# KiCad board Panel2.kicad_pcb (continued)
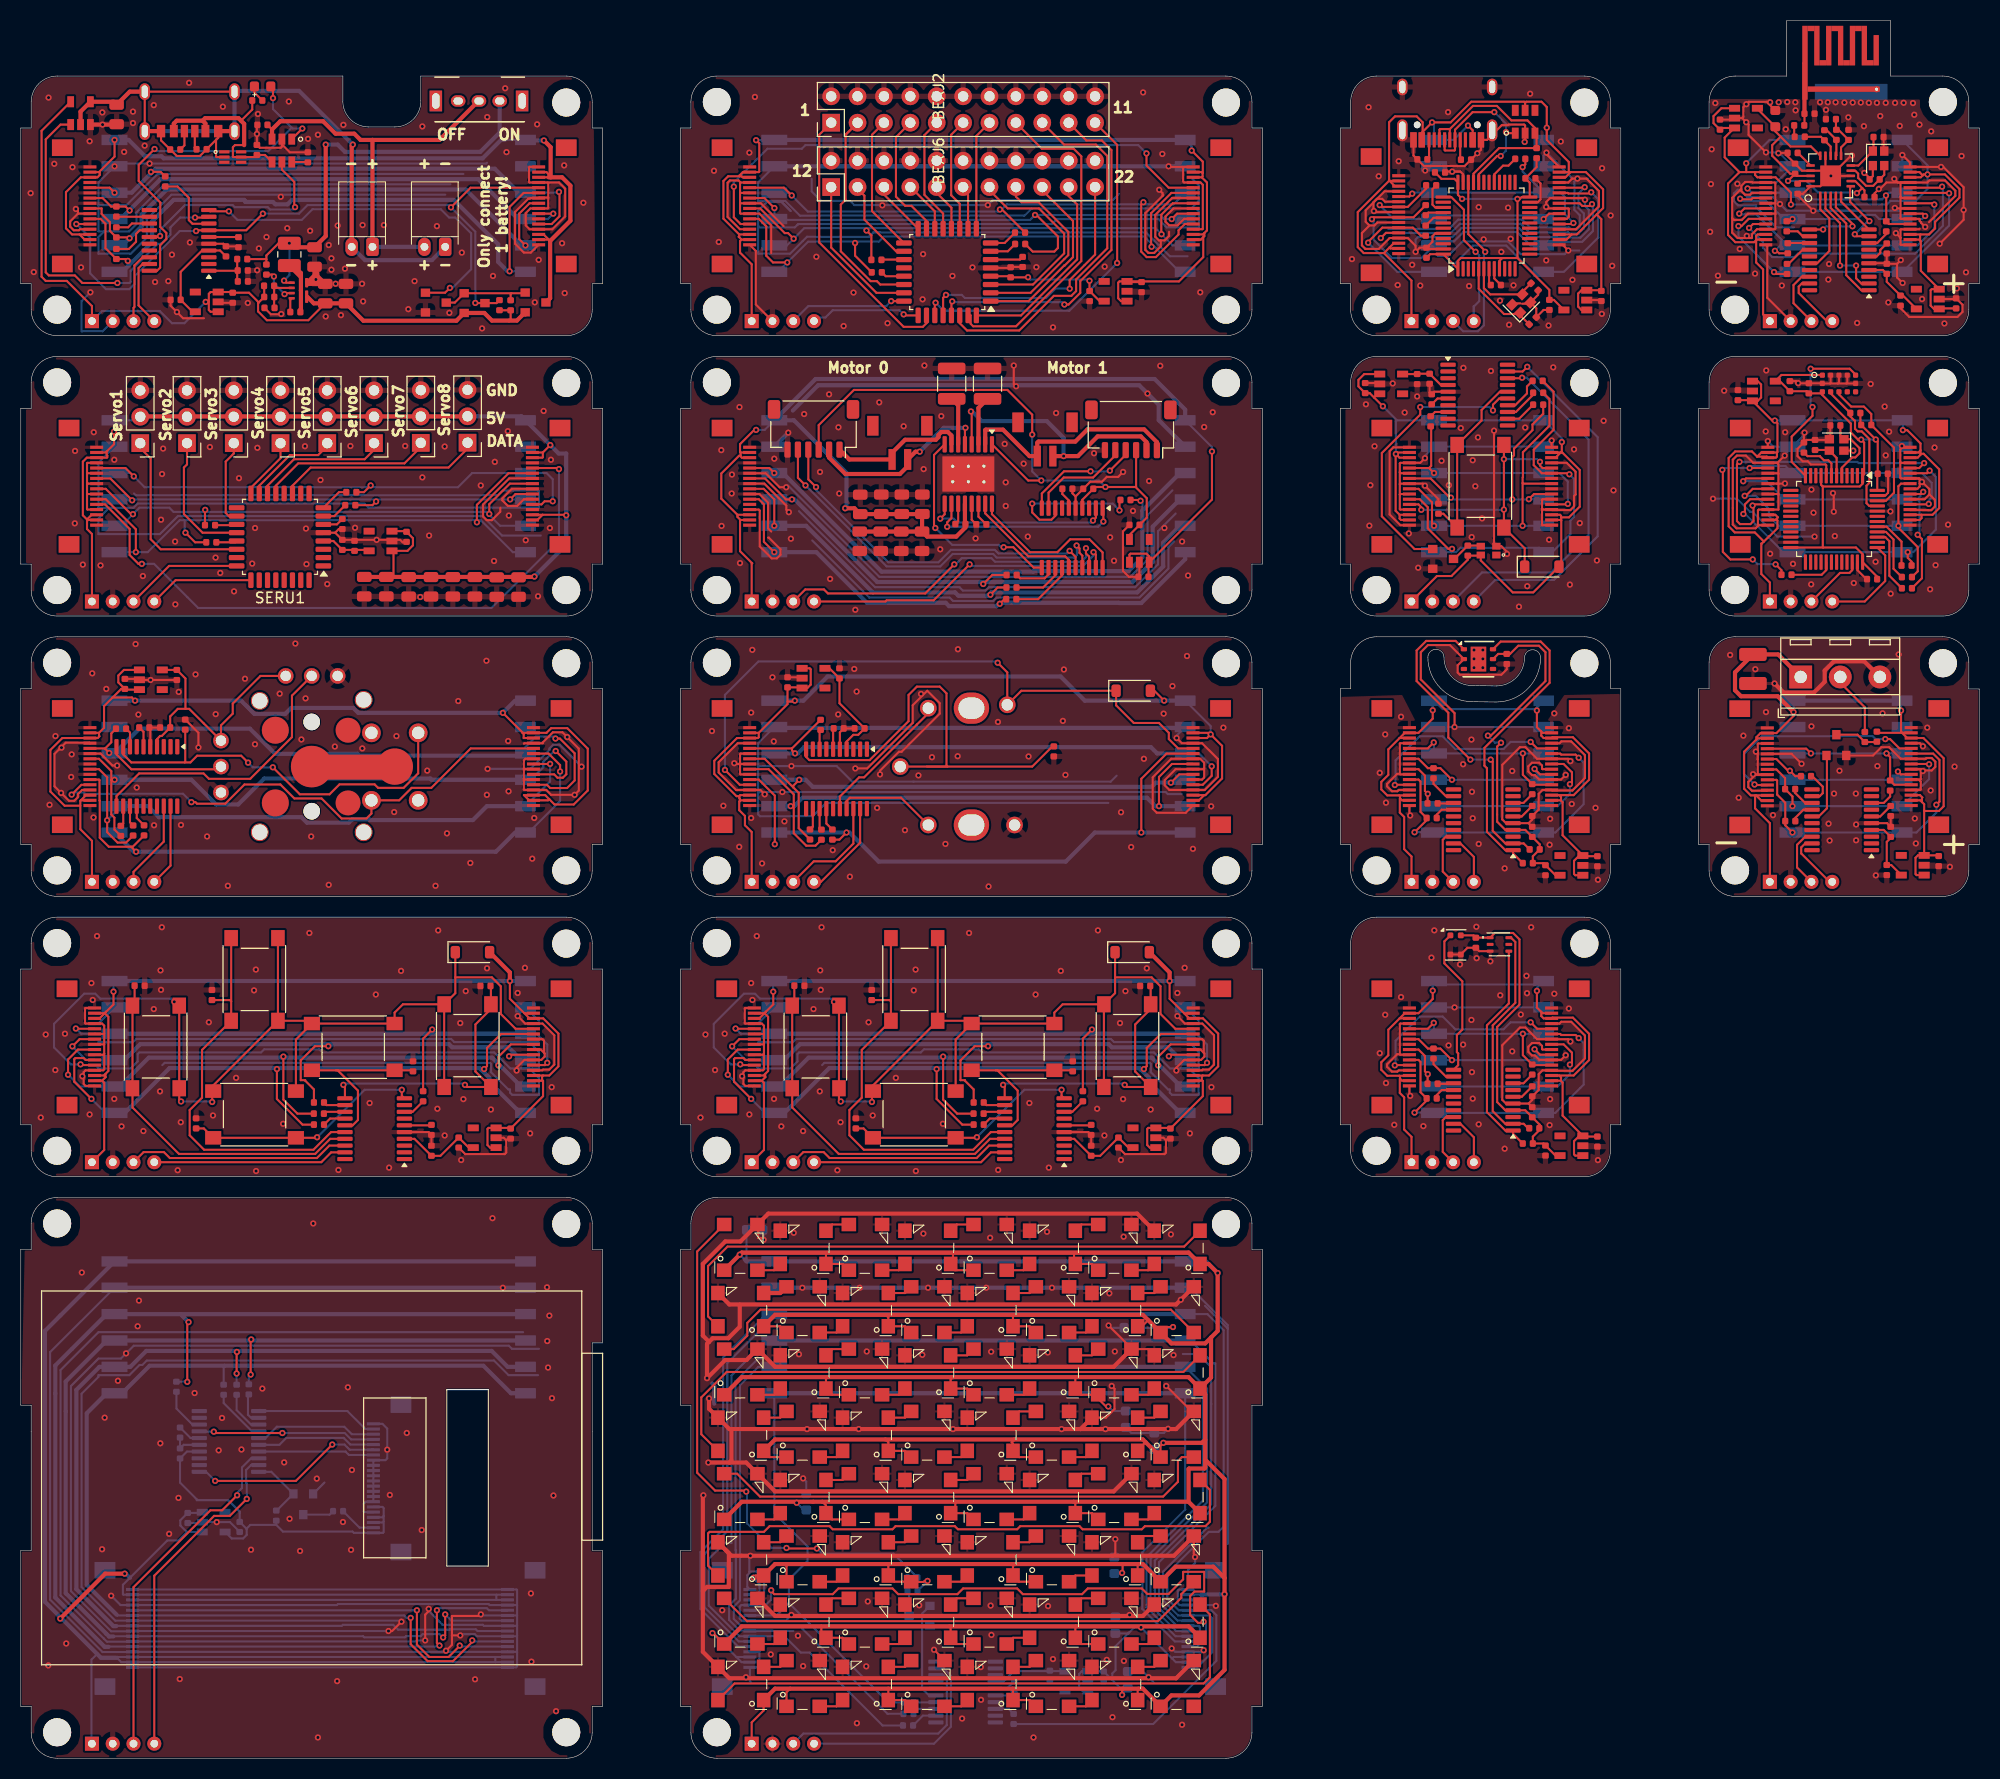
[diagram p0: board, top side]
## Routing (per net, layer and track width the routed paths; a pad name or vN(x,y) marks a point on that pad's centre or on a via; arc(x,y) is an arc through that point) (continued)
  Top w0.4: v1(3.8,13.45) 8.12,17.78 v1(10,17.78)
  Bottom w0.2: 45.67,9.75 45.67,9.28 45.7,9.25 ; 45.67,9.75 9.32,9.75 9.25,9.68 9.68,9.25 45.7,9.25 ; 45.67,9.75 SCRJ5.14 ; SCRJ4.1 6.8,1.45 6.8,9.5 7.34,10.04 ; SCRU2.3 17.41,23.62 SCRC8.1 15.36,22.91 15.36,22.41 15.98,21.79 ; 45.7,9.25 SCRJ5.15 ; 15.98,21.79 15.16,20.97 14.11,20.97 9.83,16.7 9.83,15.8 9.88,15.75 45.77,15.75 ; 15.98,21.79 SCRU2.1 ; SCRJ5.3 45.75,15.25 ; 45.75,15.25 45.77,15.28 45.77,15.75 ; 45.75,15.25 10.76,15.25 ; 45.77,15.75 SCRJ5.2 ; 3.87,13.52 v1(3.8,13.45)
  Bottom w0.4: 9.25,9.68 7.71,9.68 2.33,15.06 2.33,41.15 SCRJ1.1 48.58,47.85 ; v1(10,17.78) 10.12,17.78 10.52,17.38
SCR_BACKLIGHT: length 6.5
  Bottom w0.2: 24.59,23.84 24.62,23.84 SCRQ2.1 24.11,27.59 SCRU3.20
SCR_CHIP_SELECT: length 11.6
  Bottom w0.2: SCRU3.16 24.89,30.19 25.56,30.85 31.08,30.85 31.73,30.21 33.94,30.21
SCR_DC: length 11.2
  Bottom w0.2: SCRU3.17 31.27,29.53 31.27,29.53 31.59,29.21 33.94,29.21
SCR_GND: length 593.4
  Top w0.2: v1(39.26,14.39) 39.26,14.16 38.92,13.82 v1(38.92,11.35) ; v1(35.39,12.25) 35.74,12.25 v1(36.64,13.15) ; 41.5,11.82 41.5,10.93 v1(40.92,10.35) ; 41.5,11.82 41.5,13.7 44.13,13.7 v1(44.28,13.85) ; 41.5,11.82 v1(42.3,11.82)
  Bottom w0.2: v1(36.64,13.15) 36.54,13.25 9.09,13.25 5.85,16.49 5.85,35.1 7.47,36.72 7.47,36.89 10.45,36.89 11.43,37.87 11.7,37.87 12.12,38.3 45.54,38.3 46.95,36.89 49.79,36.89 ; 29.23,26.55 SCRQ2.2 ; 47.77,14.75 SCRJ5.4 45.12,14.75 45.02,14.85 30.52,14.85 30.43,14.75 9.6,14.75 v1(8.7,15.65) ; 47.77,14.75 47.77,16.2 47.72,16.25 SCRJ5.1 10.76,16.25 ; 47.77,14.75 47.77,13.78 ; 33.94,23.71 33.06,23.71 33.01,23.75 33.01,24.51 33.2,24.71 33.94,24.71 33.94,28.71 35.1,28.71 35.27,28.88 v1(35.27,29.72) 35.27,31.75 34.81,32.21 33.94,32.21 ; 10.76,8.75 SCRJ5.16 47.67,8.75 47.77,8.84 47.77,10.22 ; v1(38.92,11.35) 38.15,11.35 38.05,11.25 10.76,11.25 10.73,11.22 8.29,11.22 3.83,15.69 3.83,37.38 7.47,41.03 48.35,41.03 ; 47.77,13.78 47.74,13.75 SCRJ5.6 44.38,13.75 v1(44.28,13.85) ; 47.77,13.78 47.77,12.78 ; SCRC9.2 21.07,21.8 20.13,22.74 v1(18.86,22.74) SCRU2.2 17.39,22.66 16.07,22.66 ; SCRJ1.2 2.83,39.11 2.83,15.27 7.87,10.22 10.73,10.22 10.76,10.25 SCRJ5.13 47.74,10.25 47.77,10.22 ; 47.77,11.8 47.72,11.75 SCRJ5.10 43.9,11.75 43.7,11.95 42.42,11.95 v1(42.3,11.82) ; 47.77,11.8 47.77,12.78 ; 47.77,11.8 47.77,10.22 ; SCRU3.5 15.68,30.19 SCRC2.2 SCRC1.2 ; 47.77,12.78 47.74,12.75 SCRJ5.8 44.58,12.75 44.48,12.85 40.6,12.85 39.26,14.19 v1(39.26,14.39) ; 49.88,39.43 47.27,39.43 46.98,39.73 10.88,39.73 v1(10.13,38.99) 9.63,38.49 7.47,38.49 4.83,35.84 4.83,16.1 8.7,12.22 10.73,12.22 10.76,12.25 v1(35.39,12.25)
  Bottom w0.4: 48.58,45.31 v1(46.4,45.31) SCRJ1.2
  vias: v1(2.65,8.94) v1(4.38,11.05) v1(5.88,46.78) v1(7.83,20.12) v1(8.07,32.8) v1(9.35,36.35) v1(11.25,41.6) v1(11.38,44.08) v1(13.43,30.33) v1(14.28,21.61) v1(15.18,25.07) v1(15.3,7.62) v1(16.73,35.17) v1(19.05,29.65) v1(19.37,32.77) v1(21.24,29.73) v1(22.16,20.08) v1(23.25,35.6) v1(25.35,28.49) v1(25.87,23.06) v1(26.88,19.96) v1(28.15,51.5) v1(28.49,26.93) v1(28.6,2) v1(30.45,7.43) v1(31.01,22.75) v1(31.48,35.72) v1(31.79,20.07) v1(31.87,27.76) v1(35.52,25.35) v1(37.15,31.32) v1(38.59,21.97) v1(43.73,7.6) v1(45.4,52.01) v1(49.1,15.88) v1(49.15,9.3) v1(50.65,45.35) v1(50.67,40.17) v1(50.75,37.62) v1(50.88,42.62) v1(51.12,34.67) v1(51.27,25.3) v1(51.52,4.53)
SCR_Interrupt5V: length 40.4
  Top w0.2: v1(42.25,10.85) 42.25,10.83 41.17,9.75 39.33,9.75 38.12,10.95 v1(38.12,14.25)
  Bottom w0.2: v1(42.25,10.85) 42.35,10.75 SCRJ5.12 ; v1(38.12,14.25) 10.76,14.25
SCR_LEDK: length 3.6
  Bottom w0.2: SCRR5.2 32.61,22.21 33.94,22.21
SCR_MISO: length 111.1
  Top w0.2: v1(20.77,37.05) 20.77,39.11 v1(20.8,39.13)
  Bottom w0.2: SCRR4.2 v1(20.77,37.05) ; 9.2,12.72 9.22,12.75 30.9,12.75 31,12.85 35.85,12.85 36.33,12.38 41.27,12.38 41.33,12.43 43.79,12.43 43.96,12.25 SCRJ5.9
  Bottom w0.4: 9.2,12.72 8.91,12.72 5.35,16.29 5.35,35.47 7.57,37.69 SCRJ1.5 10.54,37.69 12.07,39.22 45.33,39.22 46.86,37.69 48.58,37.69
SCR_MOSI: length 109.6
  Top w0.2: v1(43.45,11.35) 43.45,11.2 41.6,9.35 39.16,9.35 37.52,10.98 v1(37.52,13.52)
  Bottom w0.2: SCRR2.2 19.52,37.72 19.6,37.8 ; 9.22,13.82 9.3,13.75 36.9,13.75 37.13,13.52 v1(37.52,13.52) ; v1(43.45,11.35) 43.55,11.25 SCRJ5.11
  Bottom w0.4: 9.22,13.82 6.35,16.7 6.35,33.22 8.28,35.15 SCRJ1.6 9.75,35.15 12.4,37.8 44.52,37.8 47.17,35.15 48.58,35.15
SCR_Net-(Q2-D): length 3
  Bottom w0.2: SCRQ2.3 29.73,23.46 SCRR5.1
SCR_Net-(U3-NRST): length 2.3
  Bottom w0.2: SCRC1.1 16.34,30.84 17.18,30.84
SCR_Net-(U3-PA1): length 4.4
  Bottom w0.2: SCRR1.1 14.98,33.68 16.52,32.13 SCRU3.8
SCR_Net-(U3-PA5): length 3.1
  Bottom w0.2: SCRU3.12 22.17,32.78 21.86,33.09 21.86,34.96 SCRR3.1
SCR_Net-(U3-PA6): length 4.2
  Bottom w0.2: SCRR4.1 20.77,33.53 22.17,32.13 SCRU3.13
SCR_Net-(U3-PA7): length 5.3
  Bottom w0.2: 22.9,31.49 22.25,31.49 19.52,34.21 SCRR2.1
SCR_PS: length 127
  Top w0.2: v1(16.15,42) 16.02,41.88 v1(16.02,36.25) ; v1(40.05,14.25) 40.05,11.1 v1(40.3,10.85)
  Bottom w0.2: v1(16.02,36.25) 16.02,36.26 SCRR1.2 ; v1(40.3,10.85) 40.2,10.75 8.47,10.75 8.45,10.72 ; SCRJ5.5 45.06,14.25 44.86,14.45 40.25,14.45 v1(40.05,14.25)
  Bottom w0.4: 15.38,42.77 SCRJ1.3 8.28,42.77 3.33,37.82 3.33,15.48 8.08,10.72 8.45,10.72 ; 15.38,42.77 v1(16.15,42) ; 15.38,42.77 48.58,42.77
SCR_RESET: length 11.8
  Bottom w0.2: 33.94,31.21 31.86,31.21 31.14,31.92 24.65,31.92 24.65,31.92 23.56,30.84 22.9,30.84
SCR_S_MOSI: length 11.9
  Bottom w0.2: 33.94,31.71 33.16,31.71 31.43,33.44 SCRU3.11 23.02,33.55
SCR_S_SCK: length 18.8
  Top w0.2: v1(18.71,26.71) 26.48,26.71 v1(29.98,30.21)
  Bottom w0.2: SCRU3.1 17.84,27.59 v1(18.71,26.71) ; 33.88,29.75 33.94,29.71 31.66,29.71 31.16,30.21 v1(29.98,30.21)
SCR_SCLK: length 117.6
  Top w0.2: v1(40.65,11.63) 40.85,11.83 v1(40.85,13.85) ; v1(22.12,36.95) 22.12,40.28 v1(22.18,40.33)
  Bottom w0.2: 8.91,11.72 8.93,11.75 32.95,11.75 33.05,11.65 36.98,11.65 37.08,11.75 38.48,11.75 38.68,11.95 40.33,11.95 v1(40.65,11.63) ; SCRJ5.7 41.45,13.25 v1(40.85,13.85) ; SCRR3.2 21.95,36.77 v1(22.12,36.95)
  Bottom w0.4: 8.91,11.72 8.49,11.72 4.33,15.89 4.33,36.28 8.28,40.23 SCRJ1.4 48.58,40.23
SCR_SWDCLK: length 32.4
  Top w0.2: SCRJ4.4 12.85,17.58 18.61,23.34 20.11,23.34 v1(21.75,24.97)
  Bottom w0.2: v1(21.75,24.97) 21.75,26.48 21.69,26.54 21.69,27.76 22.17,28.24 22.9,28.24
SCR_SWDIO: length 33.6
  Top w0.2: v1(20.82,25.32) 19.38,23.88 18.25,23.88 10.85,16.47 SCRJ4.3
  Bottom w0.2: SCRU3.18 22.17,28.88 21.29,28.01 21.29,26.02 20.82,25.56 v1(20.82,25.32)
SCR_TE: length 17.1
  Top w0.2: v1(25.18,31.32) 18.71,31.32 v1(18.58,31.45)
  Bottom w0.2: 33.94,30.71 31.79,30.71 31.18,31.32 v1(25.18,31.32) ; v1(18.58,31.45) 17.21,31.45 17.18,31.49
SCR_VDD: length 36.1
  Bottom w0.2: 33.94,22.71 34.83,22.71 34.92,22.8 ; 34.92,22.8 34.92,21.78 34.85,21.71 32.06,21.71 31.93,21.83 25.23,21.83 24.59,22.47 ; 34.92,22.8 34.92,23.32 ; SCRU2.5 20.3,21.16 21.4,21.16 21.74,21.5 21.74,22.09 21.73,22.1 ; 24.59,22.47 SCRR7.2 24.48,22.76 ; 24.59,22.47 22.09,22.47 21.73,22.1 ; 34.92,23.32 34.8,23.21 33.94,23.21 ; 34.92,23.32 34.92,24.09 34.81,24.21 33.94,24.21 ; 21.73,22.1 SCRC9.1 21.07,23.75 19.96,24.85 16.94,24.85 16.94,24.93 15.33,26.54 SCRC2.1 15.99,29.53 SCRU3.4
SER_5V: length 128.6
  Top w0.2: 6.38,119.3 5.97,119.7 5.97,124.87 6.36,125.25 SERJ12.3 8.28,125.25 8.32,125.3 8.32,125.45 8.28,125.5 8.28,125.85 ; 6.38,119.3 6.83,119.75 SERJ12.14 ; 6.38,119.3 6.38,119.15 ; 8.28,125.85 8.18,125.75 SERJ12.2 ; 8.28,125.85 8.97,126.55 v1(8.97,127.75) ; 50.25,125.75 v1(50.96,126.46) ; 50.25,125.75 50.25,125.3 50.2,125.25 SERJ13.14 ; 50.25,125.75 SERJ13.15 ; SERJ13.2 49.73,119.25 50.23,119.75 ; 50.23,119.75 52.45,119.75 v1(52.5,119.7) ; 50.23,119.75 SERJ13.3 ; SERU2.3 37.06,118.17 37.74,117.49 37.74,116.8 37.22,116.28 SERU2.1 35.88,116.12 35.88,113.69 ; SERJ12.15 6.47,119.25 6.38,119.15 ; SERC14.1 47.87,113.76 SERC5.1 ; 6.38,119.15 6.38,118.38 6.85,117.9 SERJ4.1
  Top w0.4: v1(49.44,113.8) 49.4,113.76 SERC5.1 ; 11.54,129.22 43,129.22
  Bottom w0.2: SERJ2.2 11.16,128.85 SERJ1.1 8.97,128.8 v1(8.97,127.75)
  Bottom w0.4: SERJ11.2 48.19,129.24 v1(50.96,126.46) 51.77,125.65 52.5,125.65 v1(52.5,119.7) 52.5,116.87 v1(49.44,113.8)
SER_GND: length 171.8
  Top w0.2: SERJ12.4 6.42,124.75 6.38,124.7 6.38,123.72 ; 6.38,123.72 6.38,122.85 ; 6.38,123.72 6.4,123.75 SERJ12.6 ; SERJ12.8 6.47,122.75 6.38,122.85 ; SERJ13.10 47.01,123.25 44.49,120.73 44.49,119.58 44.84,119.23 45.34,119.23 46.15,120.04 46.15,120.42 ; 30.26,118.03 30.61,118.38 SERC4.2 ; 30.26,118.03 SERC3.2 v1(34.25,117.34) 36.52,117.34 36.75,117.1 36.79,117.14 SERC8.2 ; 30.26,118.03 SERU1.5 ; 6.38,122.85 6.38,121.8 ; 6.38,121.8 6.42,121.75 SERJ12.10 ; 6.38,121.8 6.38,120.3 6.42,120.25 SERJ12.13 ; SERJ13.6 48.42,121.25 47.77,120.6 46.88,120.6 46.35,121.13 46.35,121.33 47.27,122.25 SERJ13.8
  Bottom w0.2: 8.5,120.42 7.48,120.42 7.47,120.43 7.47,124.76 SERJ1.2 ; 8.5,120.42 7.47,119.4 7.47,117.89 13.39,117.89 15.12,119.62 44.45,119.62 46.33,117.75 50.05,117.75 ; 8.5,120.42 10.85,120.42 11.26,120.83 33.08,120.83 33.48,120.43 49.88,120.43 49.88,122 49.8,122.08 46.38,122.08 45.93,121.63 11.07,121.63 10.9,121.8
  vias: v1(5.22,125.9) v1(5.2,118.92) v1(5.97,114.95) v1(7.03,127.7) v1(7.67,114.88) v1(9,125.05) v1(11.75,113.85) v1(13.5,119.28) v1(13.6,123.67) v1(13.7,126.12) v1(14.85,117.17) v1(14.88,111.12) v1(18.2,126.28) v1(18.75,115.62) v1(19.2,114.15) v1(20.52,112.38) v1(21,123.28) v1(22.27,115.05) v1(22.55,118.47) v1(22.77,126.2) v1(27.35,126.35) v1(27.45,118.42) v1(27.5,115) v1(28.85,123.1) v1(29.5,113.08) v1(31.73,126.38) v1(32.17,118.5) v1(37,126.38) v1(38.45,111.83) v1(38.65,123.35) v1(39.3,117.75) v1(40.8,126.33) v1(44.27,122.58) v1(45.55,115.3) v1(45.62,124.85) v1(46.88,127.8) v1(46.98,119.67) v1(48.6,117.3) v1(49.78,111.9) v1(50.33,129.75) v1(50.92,118.47) v1(51.02,125.05)
SER_Interrupt5V: length 62.3
  Top w0.2: v1(51.8,124.15) 51.7,124.25 SERJ13.12 ; v1(11.65,115.03) 11.32,115.03 10.47,115.88 10.47,118.38 8.11,120.75 SERJ12.12
  Bottom w0.2: v1(51.8,124.15) 51.8,117.28 45.3,110.78 17.07,110.78 12.82,115.03 v1(11.65,115.03)
SER_MISO: length 53.2
  Top w0.2: SERR7.2 17.73,120.2 v1(17.75,120.22) ; SERJ12.9 8.18,122.25 10.62,119.8 v1(10.8,119.8) ; SERJ13.9 47.08,122.75 45.09,120.77 v1(45.09,119.83)
  Bottom w0.2: 17.95,120.03 44.8,120.03 46.13,118.69 48.58,118.69 ; 17.95,120.03 14.71,120.03 14.3,120.43 11.42,120.43 v1(10.8,119.8) 9.68,118.69 SERJ1.5 ; 17.95,120.03 17.95,120.05 17.77,120.22 v1(17.75,120.22)
SER_MOSI: length 61.6
  Top w0.2: SERR8.2 16.77,117.1 v1(15.85,118.03) ; SERJ12.11 8.18,121.25 11.07,118.35 v1(11.07,116.15) ; SERJ13.11 46.94,123.75 43.9,120.71 v1(43.9,119.03)
  Bottom w0.2: SERJ1.6 v1(11.07,116.15) 12.22,116.15 15.29,119.22 15.78,119.22 ; v1(15.85,118.03) 15.78,118.1 15.78,119.22 ; 15.78,119.22 44.28,119.22 ; 44.28,119.22 47.36,116.15 48.58,116.15 ; 44.28,119.22 44.08,119.03 v1(43.9,119.03)
SER_Net-(U1-NRST): length 2
  Top w0.2: SERU1.6 30.43,118.83 SERC4.1
SER_Net-(U1-PA0): length 2.5
  Top w0.2: SERU1.7 30.18,119.62 SERR5.1
SER_Net-(U1-PA1): length 2.8
  Top w0.2: SERR6.1 30.62,121.92 SERU1.8
SER_Net-(U1-PA9/NC): length 2.1
  Top w0.2: SERR7.1 20.7,118.75 SERU1.19
SER_Net-(U1-PA10/NC): length 2
  Top w0.2: SERR8.1 20.65,117.1 SERU1.21
SER_PS: length 53.3
  Top w0.2: v1(51.2,121.05) 50.42,121.05 50.12,120.75 SERJ13.5 ; SERR6.2 33.02,121.92 v1(33.67,122.58) ; v1(10.88,123.45) 10.07,124.25 SERJ12.5
  Bottom w0.2: SERJ1.3 10.55,123.77 v1(10.88,123.45) 11.93,122.4 42.08,122.4 43.45,123.77 50.6,123.77 51.2,123.17 v1(51.2,121.05)
SER_PWM1: length 18.3
  Top w0.2: SERU1.22 13.47,116.42 12.5,117.4 12.5,125.17 11.5,126.17 SERJ2.1
SER_PWM2: length 12.8
  Top w0.2: SERU1.20 17.5,118.03 15.7,119.82 15.7,124.3 16,124.6 SERJ5.1
SER_PWM3: length 8.2
  Top w0.2: SERU1.18 20.03,119.62 19.73,119.93 19.73,124.88 20.5,125.65 SERJ6.1
SER_PWM4: length 6
  Top w0.2: SERU1.16 22.15,122.35 25,125.2 SERJ7.1
SER_PWM5: length 9.2
  Top w0.2: SERJ8.1 29.5,126.38 28.62,125.5 25.9,125.5 22.95,122.55 SERU1.15
SER_PWM6: length 13.1
  Top w0.2: SERU1.14 23.75,122.55 26.3,125.1 33.1,125.1 34,126 SERJ9.1
SER_PWM7: length 16.6
  Top w0.2: SERU1.13 24.55,122.55 26.7,124.7 36.92,124.7 38.5,126.28 SERJ10.1
SER_PWM8: length 19.7
  Top w0.2: SERJ11.1 43.05,126.65 43.05,126.17 41.17,124.3 27.9,124.3 26.15,122.55 SERU1.11
SER_SCLK: length 50.1
  Top w0.2: v1(34.2,121.03) 33.84,120.67 SERR5.2 ; v1(47.1,121.23) 47.62,121.75 SERJ13.7 ; v1(10.72,121.14) 8.61,123.25 SERJ12.7
  Bottom w0.2: v1(10.72,121.14) 9.11,121.14 SERJ1.4 v1(47.1,121.23) 48.58,121.23
SER_SWDCLK: length 10.1
  Top w0.2: SERJ4.4 14.9,113.45 SERU1.25
SER_SWDIO: length 11.3
  Top w0.2: SERU1.24 14.28,114.83 SERJ4.3
SER_VDD: length 4.8
  Top w0.2: SERU1.4 30.09,117.22 SERC3.1 33.44,116.37 SERU2.5
TMP_5V: length 65.6
  Top w0.2: TMPJ4.1 133.86,86.84 133.15,87.55 133.15,90.65 132.73,91.07 132.73,92.43 ; 132.71,98.25 131.62,97.16 131.62,94.7 130.95,94.03 130.95,93.3 131.53,92.72 132.68,92.72 ; 132.71,98.25 133.21,98.75 TMPJ5.2 134.53,98.75 135.9,100.12 v1(135.9,100.92) ; 132.71,98.25 TMPJ5.3 ; TMPJ5.15 132.95,92.25 132.75,92.45 132.75,92.65 132.68,92.72 ; 146.35,98.87 146.47,98.75 TMPJ3.15 ; 146.35,98.87 145.93,99.3 v1(145.93,100.9) ; 146.35,98.87 146.35,98.48 146.57,98.25 TMPJ3.14 147.42,98.33 149.39,98.33 150.95,96.76 150.95,94.24 149.46,92.75 148.07,92.75 ; 148.07,92.75 148.25,92.58 148.25,92.28 148.22,92.25 ; 148.07,92.75 TMPJ3.3 ; 132.68,92.72 133.63,92.72 TMPJ5.14 ; 148.22,92.25 148.4,92.07 148.4,88.89 TMPU2.3 ; 148.22,92.25 TMPJ3.2 ; TMPU2.3 150.41,86.87 TMPC8.1 ; TMPU2.3 150.01,86.94 149.5,86.42 149.5,85.16 149.62,85.03 TMPU2.1
  Bottom w0.2: v1(135.9,100.92) 135.9,101.72 TMPJ1.1 136.84,101.03 145.75,101.03 TMPJ2.6 145.93,101.2 v1(145.93,100.9)
TMP_/DAP: length 0.4
  Top w0.2: 139.88,105.85 TMPU1.7
  vias: v1(139.88,106.72) v1(139.88,105.88) v1(139.88,105.03) v1(140.72,106.72) v1(140.72,105.88) v1(140.72,105.03)
TMP_GND: length 80.6
  Top w0.2: TMPJ5.4 132.78,97.75 132.73,97.7 132.73,94.8 ; 146.1,91.67 146.17,91.75 TMPJ3.1 ; 146.1,91.67 146.1,92.88 146.47,93.25 TMPJ3.4 147.4,93.2 149.35,93.2 150.55,94.4 150.55,96.6 149.22,97.92 148.28,97.92 148.1,97.75 TMPJ3.13 ; 146.1,91.67 146.1,91.36 TMPC1.2 145.48,90.4 145.13,90.05 ; TMPJ5.10 132.78,94.75 132.73,94.8 ; 145.13,90.05 TMPC2.2 ; 145.13,90.05 TMPU3.5 142.95,90.05 142.59,90.41 142.59,95.67 144.29,97.37 144.82,97.37 145.94,96.25 TMPJ3.10 148.93,96.25 v1(149.15,96.03) ; 132.73,94.8 132.47,94.8 131.5,93.83 131.5,93.6 131.97,93.12 132.5,93.12 132.62,93.25 TMPJ5.13 ; TMPC3.2 143.03,104.87 142.51,104.35 138.5,104.35 138.3,104.55 138.3,105.25 TMPU1.2 137.55,107.2 135.44,107.2 134.75,106.51 134.75,103.9 138,100.65 v1(138,99.31) ; TMPJ3.8 146.47,95.25 146.42,95.3 146.42,95.6 146.15,95.88 145.45,95.88 145.1,95.52 145.1,95.03 145.45,94.67 145.73,94.67 146.16,94.25 TMPJ3.6 148.25,94.25 v1(148.7,94.7) ; v1(133.73,90.79) 133.66,90.87 TMPJ5.16
  Bottom w0.2: TMPJ2.5 v1(138,99.31) TMPJ1.2
  vias: v1(130.8,94.9) v1(131.32,98.6) v1(131.4,92.03) v1(132.85,100.3) v1(138.82,95.72) v1(139.62,98.1) v1(139.68,93.08) v1(139.75,90.53) v1(140.32,88.05) v1(142.82,85.7) v1(143.55,95.08) v1(147.2,90.47) v1(147.15,87.97) v1(147.6,100.62) v1(149,99.2) v1(149.28,91.9) v1(151.57,91.53) v1(151.8,84.6)
TMP_Interrupt5V: length 20.9
  Top w0.2: v1(132.25,93.72) 132.28,93.75 TMPJ5.12 ; v1(145.32,97.88) 145.95,97.25 TMPJ3.12
  Bottom w0.2: v1(132.25,93.72) 132.32,93.8 132.32,96.1 134.65,98.42 136.85,98.42 138.07,97.2 142.72,97.2 143.4,97.88 v1(145.32,97.88)
TMP_MISO: length 24
  Top w0.2: TMPJ3.9 148.5,95.75 149.3,94.95 149.3,94 v1(149.1,93.8) ; TMPR4.2 135.41,92.86 v1(135.43,92.88) 135.15,93.15 135.15,94.63 134.53,95.25 TMPJ5.9
  Bottom w0.2: v1(135.43,92.88) 135.43,92.29 TMPJ1.5 TMPJ2.2 147.91,91.69 149.1,92.88 v1(149.1,93.8)
TMP_MOSI: length 31.6
  Top w0.2: TMPJ3.11 148.17,96.75 148.27,96.65 149.65,96.65 v1(149.95,96.35) ; v1(134.15,89.17) 135.31,90.34 TMPR2.2 134.72,91.14 134.72,94.06 134.53,94.25 TMPJ5.11
  Bottom w0.2: v1(149.95,96.35) 150.43,95.88 150.43,91.88 147.7,89.15 TMPJ2.1 TMPJ1.6 136,89.17 v1(134.15,89.17)
TMP_Net-(U3-NRST): length 2.3
  Top w0.2: TMPU3.6 144.47,90.7 TMPC1.1
TMP_Net-(U3-PA1): length 2.2
  Top w0.2: TMPR1.1 144.63,92 TMPU3.8
TMP_Net-(U3-PA5): length 3
  Top w0.2: TMPU3.12 137.17,92.65 135.97,93.84 TMPR3.1
TMP_Net-(U3-PA6): length 1.5
  Top w0.2: TMPR4.1 137.85,91.95 TMPU3.13
TMP_Net-(U3-PA7): length 2.1
  Top w0.2: 136.28,90.55 136.28,90.87 136.77,91.35 TMPU3.14
TMP_PS: length 19.4
  Top w0.2: v1(136,97.83) 135.43,97.25 TMPJ5.5 ; TMPJ3.5 145.53,93.75 TMPR1.2 144.57,94.71 v1(144.57,96.77)
  Bottom w0.2: TMPJ2.4 v1(144.57,96.77) TMPJ1.3 136,96.8 v1(136,97.83)
TMP_SCL: length 31.2
  Top w0.2: TMPU1.6 142.44,107.54 146.29,107.54 147.15,106.68 147.15,103.57 140.88,97.3 140.88,95.59 141.12,95.34 141.12,89.22 142.89,87.45 TMPU3.1 143.63,87.14 TMPR6.2
TMP_SCLK: length 18.8
  Top w0.2: v1(137.75,94.23) 136.63,95.34 TMPR3.2 135.44,95.34 134.53,96.25 TMPJ5.7 ; v1(145.7,95.28) 146.22,94.75 TMPJ3.7
  Bottom w0.2: v1(145.7,95.28) 145.7,95.11 TMPJ2.3 v1(137.75,94.23) TMPJ1.4
TMP_SDA: length 31.1
  Top w0.2: TMPU1.1 138.1,107.6 135.27,107.6 134.35,106.68 134.35,103.73 137.4,100.68 137.4,98.3 v1(139.53,96.17) ; TMPR5.2 144.66,88.1 TMPU3.2 142.89,88.1 141.68,89.32 141.68,95.97 v1(141.47,96.17)
  Bottom w0.2: v1(141.47,96.17) v1(139.53,96.17)
TMP_SWDCLK: length 4.9
  Top w0.2: TMPJ4.4 139.86,86.8 138.56,88.1 TMPU3.19
TMP_SWDIO: length 5.6
  Top w0.2: TMPU3.18 137.17,88.75 136.87,88.45 136.87,85.39 TMPJ4.3
TMP_VDD: length 35.8
  Top w0.2: TMPU2.5 147.72,85.03 TMPC9.1 146.56,86.2 TMPR6.1 145.53,86.86 TMPR5.1 146.2,88.01 TMPC2.1 144.81,89.4 TMPU3.4 142.89,89.4 142.1,90.19 142.1,97.42 v1(142.47,97.8) ; v1(141.21,98.48) 141.49,98.48 146.75,103.74 146.75,106.51 146.12,107.14 144.13,107.14 143.34,106.35 TMPC3.1 142.2,106.35 TMPU1.5
  Bottom w0.2: v1(141.21,98.48) 141.89,97.8 v1(142.47,97.8)
USB_5V: length 91.5
  Top w0.2: 151.68,148.67 152.3,149.29 152.3,151.09 150.64,152.75 149.18,152.75 ; 151.68,148.67 149.76,146.75 149.28,146.75 ; 151.68,148.67 152.12,148.22 USBC8.1 152.06,141.38 USBU2.3 150.22,141.38 149.9,141.05 149.9,139.8 150.22,139.47 USBU2.1 ; 131.2,144.95 133.85,142.31 USBJ4.1 ; 131.2,144.95 129.26,144.95 128.68,145.53 128.68,148.9 131.68,151.9 131.85,151.9 ; 131.2,144.95 131.74,145.49 ; 144.79,159.43 144.69,159.53 139.61,159.53 137.62,157.54 v1(135.84,157.54) 134.84,156.54 USBJ2.A9 134.93,155.94 134.93,157.54 134.35,158.12 132.27,158.12 131.7,157.55 131.7,151.95 ; 144.79,159.43 144.89,159.53 146.37,159.53 146.88,159.02 v1(146.88,157.03) 146.88,155.85 149,153.73 149,152.8 148.94,152.75 ; 144.79,159.43 USBIC1.5 ; 149.18,152.75 148.94,152.75 ; 149.18,152.75 148.68,152.25 USBJ6.14 ; 148.94,152.75 USBJ6.15 ; v1(139.29,157.23) 139.75,156.78 USBJ2.A4 ; 131.74,145.49 131.82,145.4 USBJ5.15 ; 131.74,145.49 132.15,145.9 USBJ5.14 ; USBJ6.2 148.78,146.25 149.28,146.75 ; 149.28,146.75 USBJ6.3 ; 131.85,151.9 131.75,151.9 131.7,151.95 ; 131.85,151.9 USBJ5.2 ; 131.7,151.95 132.25,151.4 USBJ5.3
  Bottom w0.2: v1(135.84,157.54) 136.03,157.35 USBJ1.1 137.91,155.85 v1(139.29,157.23) ; v1(146.88,157.03) 146.88,156.15 USBJ3.6
USB_GND: length 152
  Top w0.2: 129.8,147.61 130.28,147.61 130.58,147.9 USBJ5.10 ; 129.8,147.61 129.44,147.97 129.44,149.07 131.27,150.9 USBJ5.4 ; 129.8,147.61 129.08,146.89 129.08,145.69 129.42,145.35 130.7,145.35 131.75,146.4 USBJ5.13 133.5,146.4 134.25,145.65 v1(134.25,145.07) 134.65,145.47 USBC1.2 ; USBJ5.8 130.34,148.9 v1(130.24,149) 130.19,149.04 130.19,149.84 130.53,150.18 131.04,150.18 131.32,149.9 USBJ5.6 ; 145.78,152.15 146.28,151.66 146.28,150.12 146.01,149.85 USBU1.23 ; 134.04,155.85 134.04,154.34 USBR2.1 135.04,153.34 138.26,153.34 138.28,153.33 138.97,153.33 USBR1.2 v1(140.19,154.56) 140.54,154.91 140.54,155.85 141.13,155.85 142.55,157.28 143.12,157.28 143.18,157.33 144.69,157.33 144.79,157.23 USBIC1.2 144.79,155.7 v1(144.75,155.66) ; USBC8.2 152.04,140.43 USBU2.2 ; USBJ6.4 149.7,147.25 151.9,149.45 151.9,150.93 150.7,152.12 v1(149.82,152.12) 149.32,152.12 148.94,151.75 USBJ6.13 ; USBY2.2 145.87,139.63 145.87,138.78 146.57,139.47 USBC9.2 ; USBY2.2 145.18,140.07 144.51,140.07 ; USBY2.2 146.04,140.94 USBC7.1 ; 138.56,152.8 138.82,152.53 USBU1.35 ; 138.56,152.8 v1(137.78,152.8) ; 138.56,152.8 137.16,152.8 USBC2.2 ; 144.33,140.11 143.66,140.11 USBY2.4 ; USBJ6.6 148.8,148.25 149,148.44 149,149.2 148.94,149.25 USBJ6.8 146.97,149.25 v1(146.82,149.4) 146.82,149.88 147.19,150.25 USBJ6.10 150.39,150.25 v1(150.55,150.09) ; USBU1.44 136.14,146.85 135.88,146.58 135.88,146.04 USBC1.2 ; USBC1.2 135.42,145.35 USBU1.47 ; USBJ6.1 148.4,145.75 v1(148.95,145.2) ; USBU1.8 141.82,142.51 USBC4.1 ; USBJ6.16 146.85,154.47 v1(146.85,154.62)
  Bottom w0.2: 143.14,146.07 144.37,144.85 148.6,144.85 v1(148.95,145.2) 150.01,145.2 ; 143.14,146.07 140.88,146.07 ; 143.14,146.07 143.39,146.32 v1(143.4,146.32) ; 140.88,146.07 138.76,146.07 137.36,144.68 136.4,144.68 ; 140.88,146.07 140.88,146.2 v1(140.8,146.28) ; v1(134.25,145.07) 134.25,146.26 134.47,146.49 137.8,146.49 138.68,147.38 144.19,147.38 145.08,146.49 147.88,146.49 147.93,146.44 150.12,146.44 150.92,147.24 150.92,149.12 150.55,149.49 v1(150.55,150.09) ; USBJ3.5 146.57,154.35 v1(146.85,154.62) 149.35,152.12 v1(149.82,152.12) ; v1(149.82,152.12) 150.85,152.12 ; v1(149.82,152.12) 149.53,151.82 149.53,149.12 150.05,148.6 150.05,147.5 149.79,147.24 149.2,147.24 149.01,147.43 145.27,147.43 144.52,148.18 138.35,148.18 137.47,147.29 131.59,147.29
  vias: v1(128.12,144.38) v1(129.72,159) v1(130.7,152.35) v1(132.53,141.88) v1(132.62,153.8) v1(133.93,143.82) v1(134.7,141.82) v1(135.18,152.9) v1(137.38,158.53) v1(139.4,141.78) v1(140.32,149.38) v1(142.38,140.38) v1(142.5,145.07) v1(143.15,149.32) v1(143.25,138.05) v1(143.68,141.85) v1(145.28,160.3) v1(146.82,144.25) v1(147.05,137.97) v1(148.22,155.7) v1(149.35,142.38) v1(152.2,153.12) v1(152.18,139.1) v1(153.03,148.57) v1(153.18,143.72)
USB_Interrupt5V: length 29.6
  Top w0.2: USBJ6.12 150.47,151.25 v1(150.53,151.3) ; USBJ5.12 131.4,146.9 v1(130.9,146.4)
  Bottom w0.2: v1(150.53,151.3) 149.93,150.7 149.93,149.29 150.45,148.77 150.45,147.33 149.95,146.84 149.04,146.84 148.92,146.95 145.18,146.95 144.36,147.78 138.52,147.78 137.63,146.89 131.39,146.89 v1(130.9,146.4)
USB_MISO: length 38.2
  Top w0.2: v1(130.04,148.22) 130.23,148.4 USBJ5.9 134.06,148.4 USBR6.2 ; USBJ6.9 150.04,149.75 150.3,149.49 151.05,149.49 v1(151.23,149.66)
  Bottom w0.2: USBJ3.2 146.92,146.04 150.28,146.04 151.32,147.07 151.32,149.57 v1(151.23,149.66) ; USBJ3.2 145.31,145.69 144.03,146.97 138.85,146.97 137.97,146.09 136.43,146.09 USBJ1.5 134.81,144.47 131.97,144.47 130.21,146.24 130.21,148.05 v1(130.04,148.22) ; USBJ3.2 146.07,145.69
USB_MISO_UC: length 1.6
  Top w0.2: 136.76,148.85 135.47,148.85 USBR6.1
USB_MOSI: length 41.1
  Top w0.2: USBR4.2 134.76,146.63 133.99,147.4 USBJ5.11 132.62,147.4 131.05,147.4 129.68,146.03 v1(129.68,145.95) ; v1(151.16,150.81) 151.04,150.69 148.96,150.69 148.9,150.75 USBJ6.11
  Bottom w0.2: v1(151.16,150.81) 151.83,150.13 151.83,146.45 148.53,143.15 USBJ3.1 145.5,143.15 142.97,145.68 139.78,145.68 137.25,143.15 USBJ1.6 132.49,143.15 v1(129.68,145.95)
USB_MOSI_UC: length 1.8
  Top w0.2: 136.76,148.35 135.97,148.35 USBR4.1
USB_Net-(J2-CC1): length 1.9
  Top w0.2: 138.54,155.85 138.54,154.02 138.62,153.95
USB_Net-(J2-CC2): length 1.9
  Top w0.2: 135.54,155.85 135.54,154.13 135.38,153.97
USB_Net-(U1-NRST): length 1.6
  Top w0.2: USBC4.2 141.32,142.04 USBU1.7
USB_OSC_IN: length 8.4
  Top w0.2: USBU1.5 140.32,141.52 142.76,139.08 144.19,139.08 USBY2.1 144.31,138.96 USBC6.2
USB_OSC_OUT: length 7.2
  Top w0.2: USBU1.6 140.82,141.58 141.43,140.97 144.53,140.97 144.53,141.21 USBC7.2
USB_PS: length 25.1
  Top w0.2: USBJ6.5 149.35,147.75 ; v1(144.55,153.22) 144.81,153.49 USBR5.2 ; v1(133.93,150.67) 133.65,150.4 USBJ5.5
  Bottom w0.2: USBJ3.4 144.55,152.79 v1(144.55,153.22) ; USBJ3.4 USBJ1.3 134.02,150.77 v1(133.93,150.67) ; USBJ3.4 146.98,150.77 ; USBJ3.4 148.21,150.77 148.62,150.35 148.62,148.7 149.44,147.89 v1(149.44,147.85)
USB_PS_UC: length 3.4
  Top w0.2: USBR5.1 143.19,153.38 142.67,153.38 141.82,152.53 USBU1.29
USB_SCLK: length 23.9
  Top w0.2: USBR7.2 135.26,151.16 133.5,149.4 USBJ5.7 130.97,149.4 v1(130.79,149.57) ; v1(146.57,148.23) 147.09,148.75 USBJ6.7
  Bottom w0.2: v1(146.57,148.23) 146.23,148.57 136.37,148.57 USBJ1.4 132.14,148.23 v1(130.79,149.57)
USB_SCLK_UC: length 3.2
  Top w0.2: USBR7.1 135.88,151.12 135.88,149.62 136.14,149.35 USBU1.39
USB_SWDCLK: length 15.5
  Top w0.2: USBU1.37 137.68,150.35 138.9,149.13 138.9,146.2 v1(140.03,145.07)
  Bottom w0.2: v1(140.03,145.07) 140.38,144.72 140.38,140.32 139.85,139.8 USBJ4.4 139.85,139.85
USB_SWDIO: length 18.1
  Top w0.2: USBU1.34 139.32,146.78 140.95,145.15 v1(140.95,145.07)
  Bottom w0.2: USBJ4.3 138.82,137.43 140.25,137.43 140.82,138 140.82,144.95 v1(140.95,145.07)
USB_USB_D+: length 23
  Top w0.2: 137.54,156.9 139.77,159.12 142.07,159.12 143.47,157.73 145.02,157.73 145.74,157 USBIC1.3 145.9,156.34 USBR12.1 142.29,155.06 139.82,152.6 USBU1.33 ; 137.54,156.9 137.54,155.85 ; 137.54,156.9 136.61,156.9 136.54,156.83 136.54,155.85
